# Altium PCB 256sog - killed.PcbDoc (part 3 of 4)
Units mm, origin at the board's own origin, x right, y up, seen from the top; angles counter-clockwise.
Board outline 297 x 210 mm, 4 copper layers (Top Layer, Power Plane, Ground Plane, Bottom Layer); 217 components, 330 nets, 1251 pads, 678 vias.
Unrouted connection lines stored in the file: 1.
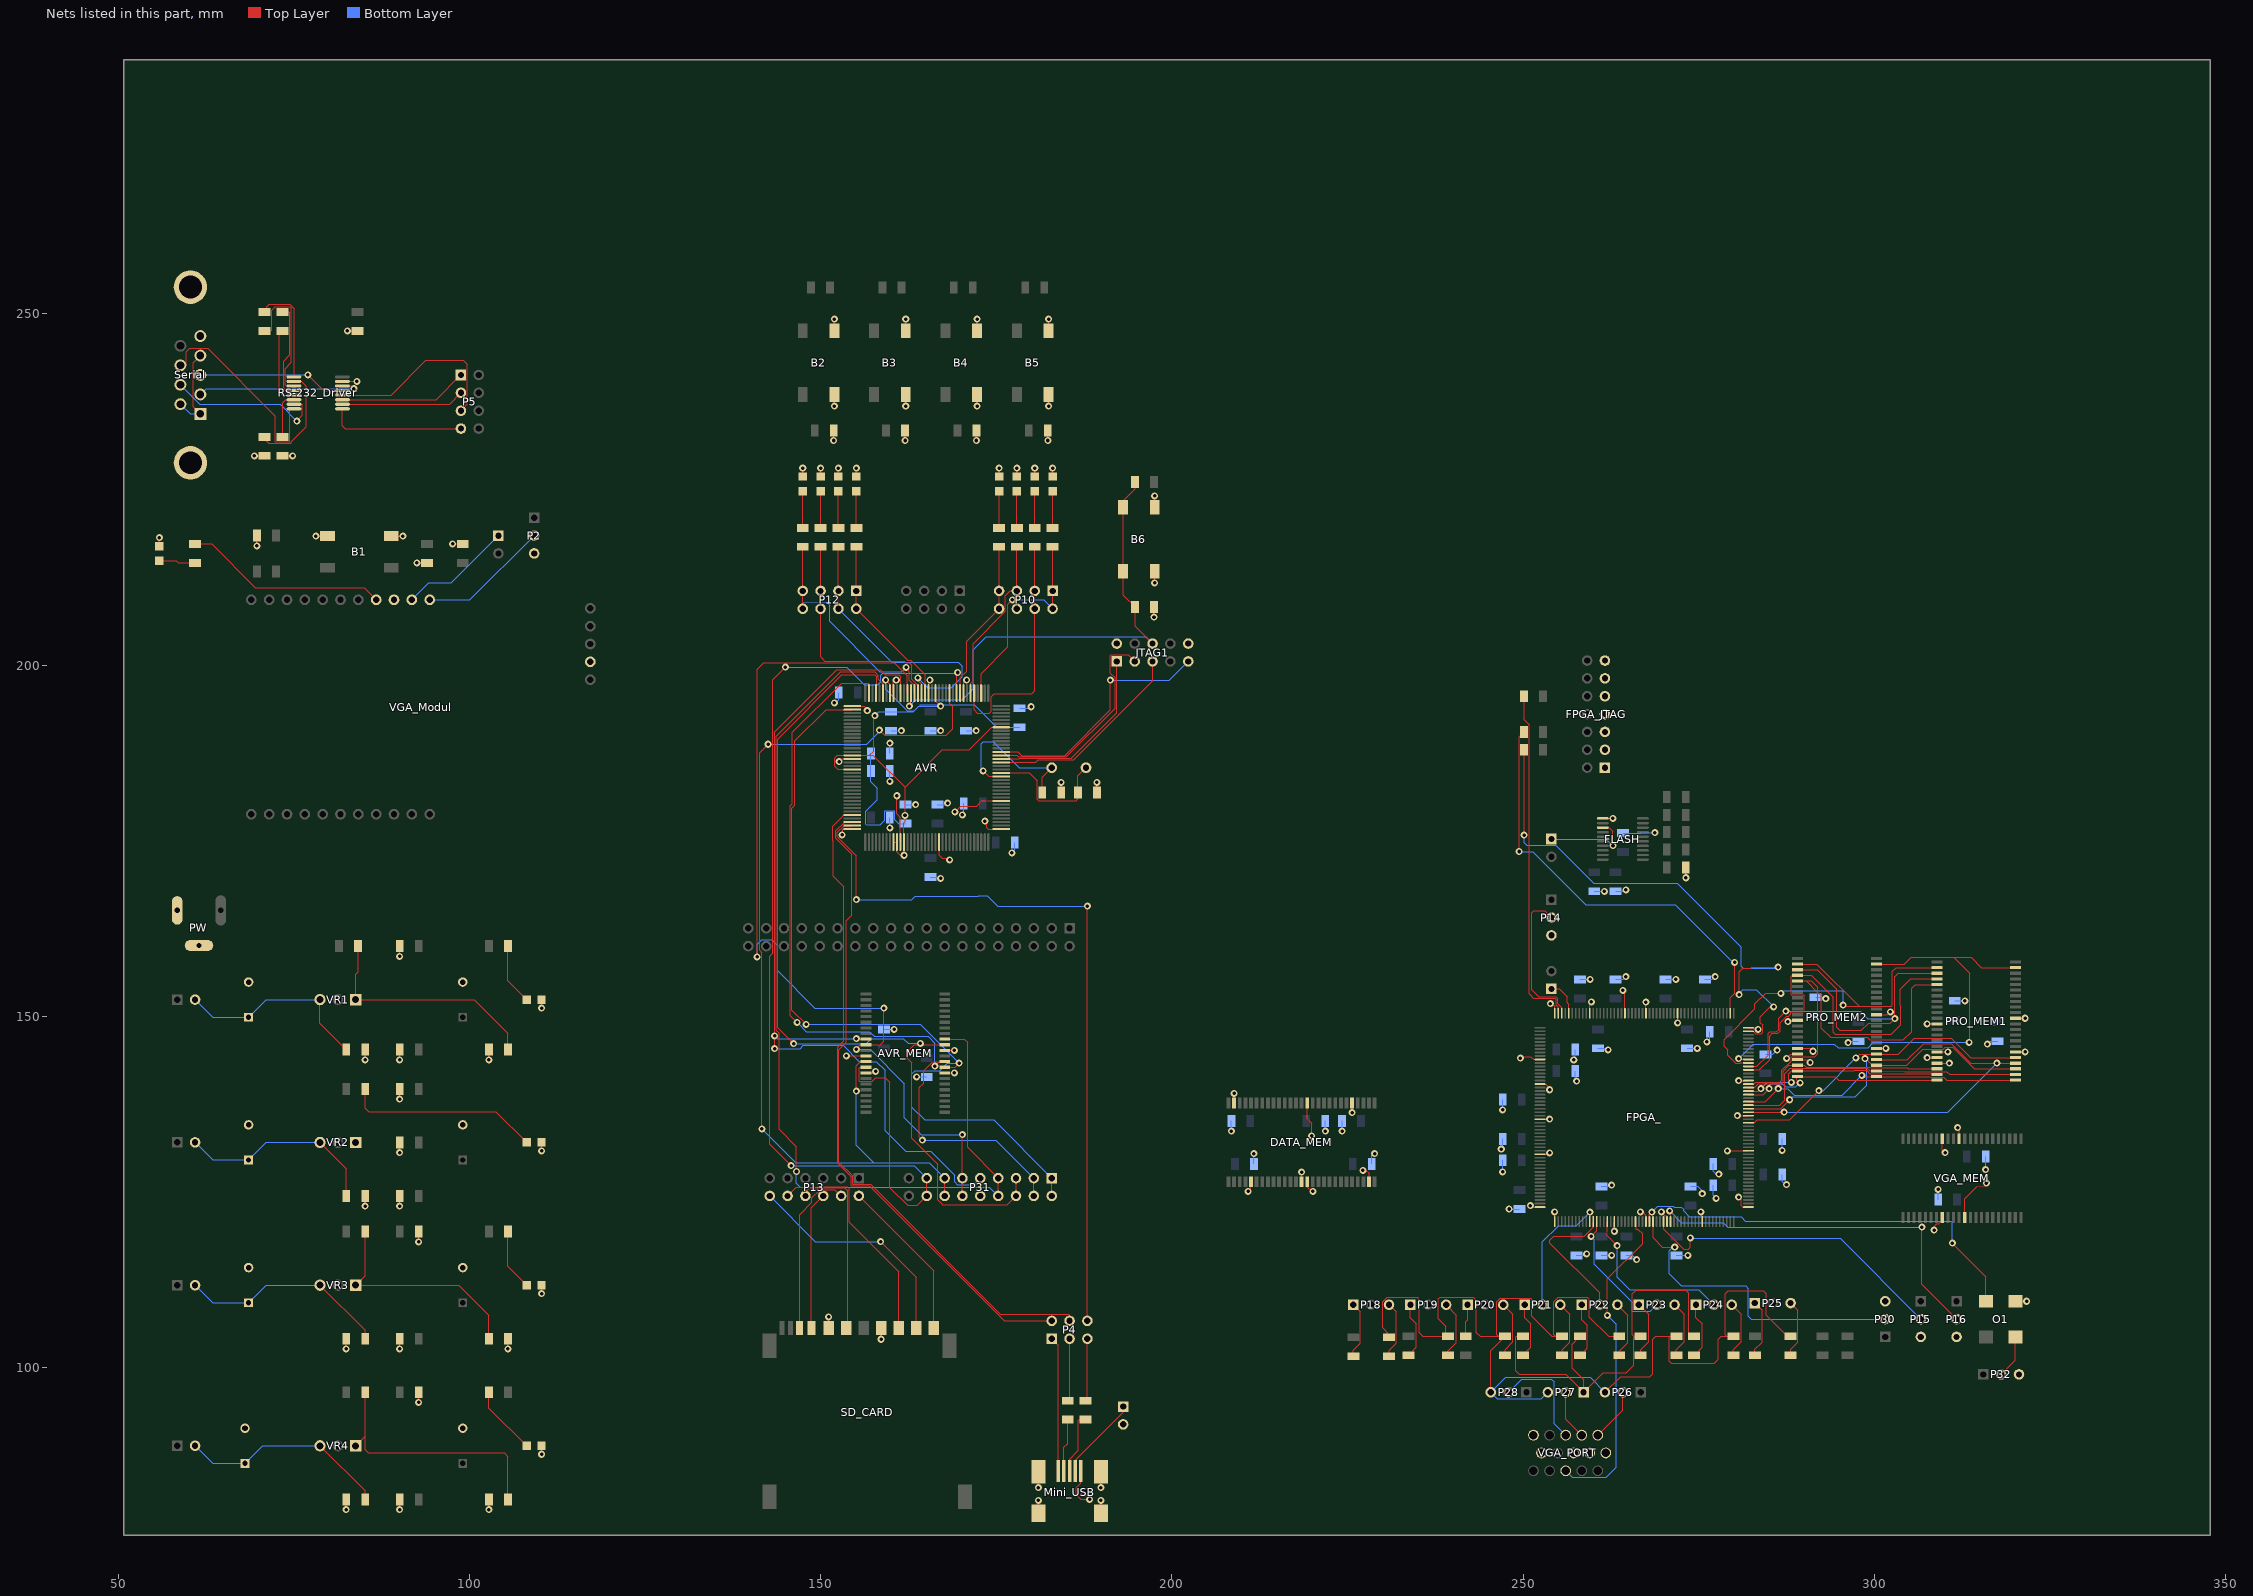
[diagram p5: the nets of this part, all layers, seen from the top]

## Via types
v1: diameter 1, hole 0.5, Top Layer to Bottom Layer, 678 vias

## Nets (pads, with @x,y where several pads share a name; then routed paths per layer and width w, separated by ;. In a path a pad name is that pad's centre, name@x,y a point inside that pad or via, vN(x,y) a via of type N, cw(c..) or ccw(c..) an arc to the next point about the centre after c; other vN are vias at no path point) (continued)
GND: AVR.8 AVR.18 AVR.28 AVR.37 AVR.52 AVR.72 AVR.81 AVR.82 AVR.83 AVR.94 AVR.109 AVR.117 AVR_MEM.8 AVR_MEM.12 AVR_MEM.34 AVR_MEM.37 B1.1 B1.2 B2.1 B2.2 B3.1 B3.2 B4.1 B4.2 B5.1 B5.2 B6.1 B6.2 C3.2 C4.2 C5.2 C6.1 C7.1 C8.1 C9.1 C10.1 C11.1 C12.1 C13.1 C14.1 C15.1 C16.1 C17.1 C18.1 C19.1 C20.1 C21.1 C22.1 C23.1 C24.1 C25.1 C26.1 C27.1 C28.1 C29.1 C30.1 C31.1 C32.2 C33.2 C34.2 C35.2 C36.2 C37.2 C38.2 C39.2 C40.2 C41.2 C42.2 C43.2 C44.2 C45.2 C46.1 C47.1 C48.1 C49.1 C50.1 C51.1 C52.2 C53.2 C54.2 C55.2 C56.2 C57.2 C58.2 C59.2 C60.1 C61.1 C62.1 C63.1 C64.1 C65.1 C66.1 C67.2 C68.1 C69.2 C70.1 C71.2 C72.1 C73.1 C74.1 C75.1 C76.1 C77.1 C78.2 C79.1 C80.2 C81.2 D1.2 D2.2 D3.2 D4.2 D5.2 D6.2 D7.2 D8.2 D9.2 D10.2 D11.2 D12.2 D13.2 DATA_MEM.5 DATA_MEM.13 DATA_MEM.26 DATA_MEM.32 DATA_MEM.41 DATA_MEM.42 DATA_MEM.53 E1.2 E2.2 E3.2 E4.2 E5.2 E6.2 E7.2 E8.2 FLASH.11 FPGA_.10 FPGA_.17 FPGA_.27 FPGA_.37 FPGA_.52 FPGA_.53 FPGA_.70 FPGA_.79 FPGA_.85 FPGA_.95 FPGA_.105 FPGA_.121 FPGA_.131 FPGA_.141 FPGA_.156 FPGA_.173 FPGA_.182 FPGA_.188 FPGA_.198 FPGA_.208 FPGA_JTAG.1 FPGA_JTAG.3 FPGA_JTAG.5 FPGA_JTAG.7 FPGA_JTAG.9 FPGA_JTAG.11 FPGA_JTAG.13 JTAG1.2 JTAG1.10 Mini_USB.5 O1.2 P2.3 P3.2 P14.3 P15.3 P16.3 P30.3 P32.3 PRO_MEM1.6 PRO_MEM1.12 PRO_MEM1.34 PRO_MEM1.39 PRO_MEM1.40 PRO_MEM1.41 PRO_MEM2.6 PRO_MEM2.12 PRO_MEM2.34 PRO_MEM2.39 PRO_MEM2.40 PRO_MEM2.41 PW.2 PW.3 R6.1 R10.1 R13.1 R34.1 RS-232_Driver.15 SD_CARD.3 SD_CARD.6 Serial.5 Serial.10 Serial.11 VGA_MEM.8 VGA_MEM.12 VGA_MEM.34 VGA_MEM.37 VGA_Modul.9 VGA_Modul.26 VGA_PORT.5 VGA_PORT.6 VGA_PORT.7 VGA_PORT.8 VGA_PORT.10 VR2.1 | length 318.7
  Top Layer w0.1: D5.2@55.88,216.95 v1(55.88,218.15) ; v1(69.416,229.79) C4.2@70.866,229.79 ; v1(69.77,216.99) C8.1@69.77,218.44 ; C3.2@73.406,229.79 v1(74.856,229.79) ; v1(78.15,218.368) B1.1@79.8,218.368 ; RS-232_Driver.15@81.936,240.385 v1(83.992,240.385) ; v1(82.47,79.83) C19.1@82.47,81.28 ; v1(82.47,102.69) C16.1@82.47,104.14 ; v1(82.624,247.57) C5.2@84.074,247.57 ; v1(85.17,123.01) C12.1@85.17,124.46 ; v1(85.17,143.838) C9.1@85.17,145.288 ; B1.2@88.9,218.368 v1(90.55,218.368) ; v1(90.09,79.83) C21.1@90.09,81.28 ; v1(90.09,102.69) C18.1@90.09,104.14 ; v1(90.09,123.01) C15.1@90.09,124.46 ; v1(90.09,130.63) C14.1@90.09,132.08 ; v1(90.09,138.25) C13.1@90.09,139.7 ; v1(90.09,143.838) C11.1@90.09,145.288 ; v1(90.09,158.57) C10.1@90.09,160.02 ; v1(92.53,214.55) C6.1@93.98,214.55 ; v1(92.79,95.07) C20.1@92.79,96.52 ; v1(92.79,117.93) C17.1@92.79,119.38 ; v1(97.61,217.25) C7.1@99.06,217.25 ; v1(102.79,79.83) R13.1@102.79,81.28 ; v1(102.79,143.838) R6.1@102.79,145.288 ; v1(105.49,102.69) R10.1@105.49,104.14 ; v1(110.27,87.7) D4.2@110.27,88.9 ; v1(110.27,110.56) D3.2@110.27,111.76 ; v1(110.27,130.88) D2.2@110.27,132.08 ; v1(110.27,151.2) D1.2@110.27,152.4 ; D9.2@147.447,226.856 v1(147.447,228.056) ; D8.2@149.987,226.856 v1(149.987,228.056) ; SD_CARD.6@151.116,105.664 v1(151.116,107.264) ; v1(151.845,231.976) C22.1@151.845,233.426 ; v1(151.947,236.856) B2.2@151.947,238.506 ; B2.1@151.947,247.606 v1(151.947,249.256) ; D7.2@152.527,226.856 v1(152.527,228.056) ; v1(152.63,186.264) 152.63,186.467 152.833,186.67 AVR.52@154.5,186.67 ; v1(153.036,175.857) 153.126,175.946 153.126,176.67 AVR.72@154.5,176.67 ; v1(153.655,144.38) AVR_MEM.34@156.452,144.38 ; AVR.37@154.5,194.17 156.209,194.17 156.729,193.65 156.831,193.548 v1(156.628,193.548) ; D6.2@155.067,226.856 v1(155.067,228.056) ; AVR_MEM.37@156.452,141.98 157.624,141.98 v1(157.827,142.183) ; v1(158.616,104.064) SD_CARD.3@158.616,105.664 ; AVR.81@160.35,174.82 160.35,174.803 AVR.82@160.85,174.803 ; AVR.28@160.35,196.02 160.35,197.714 160.526,197.89 v1(160.756,197.89) ; v1(160.833,181.418) 160.833,178.833 161.35,178.316 AVR.83@161.35,174.82 ; v1(161.866,172.95) 161.341,172.95 160.85,173.441 AVR.82@160.85,174.803 ; v1(162.005,231.976) C23.1@162.005,233.426 ; v1(162.107,236.856) B3.2@162.107,238.506 ; B3.1@162.107,247.606 v1(162.107,249.256) ; AVR.18@165.35,196.02 165.35,197.734 165.506,197.89 v1(165.553,197.89) ; AVR.94@166.85,174.82 166.85,172.949 167.31,172.489 168.148,172.489 v1(168.351,172.286) ; AVR_MEM.8@167.652,141.98 v1(169.027,141.98) ; AVR_MEM.12@167.652,145.18 v1(169.027,145.18) ; v1(169.102,179.121) 169.93,179.949 172.231,179.949 172.952,180.67 AVR.117@175.7,180.67 ; AVR.8@170.35,196.02 170.35,197.755 170.485,197.89 v1(170.756,197.89) ; v1(172.165,231.976) C24.1@172.165,233.426 ; v1(172.267,236.856) B4.2@172.267,238.506 ; B4.1@172.267,247.606 v1(172.267,249.256) ; v1(173.369,177.8) 173.662,177.508 173.662,176.837 173.829,176.67 AVR.109@175.7,176.67 ; D13.2@175.387,226.856 v1(175.387,228.056) ; D12.2@177.927,226.856 v1(177.927,228.056) ; D11.2@180.467,226.856 v1(180.467,228.056) ; Mini_USB.5@180.97,79.296 v1(180.97,81.146) ; v1(180.97,82.946) Mini_USB.5@180.97,85.196 ; v1(182.325,231.976) C25.1@182.325,233.426 ; v1(182.427,236.856) B5.2@182.427,238.506 ; B5.1@182.427,247.606 v1(182.427,249.256) ; D10.2@183.007,226.856 v1(183.007,228.056) ; C81.2@184.23,181.864 v1(184.23,183.314) ; Mini_USB.5@187.02,85.296 187.02,83.605 186.37,82.955 186.37,81.913 187.02,81.263 v1(188.265,81.263) ; C80.2@189.31,181.864 v1(189.31,183.314) ; Mini_USB.5@189.87,79.296 v1(189.87,81.146) ; v1(189.87,82.946) Mini_USB.5@189.87,85.196 ; v1(197.438,206.83) C26.1@197.438,208.28 ; v1(197.54,211.71) B6.2@197.54,213.36 ; B6.1@197.54,222.46 v1(197.54,224.11) ; DATA_MEM.26@208.84,137.68 v1(208.84,139.055) ; v1(210.834,125.105) 211.24,125.511 DATA_MEM.32@211.24,126.48 ; DATA_MEM.41@218.44,126.48 v1(218.44,127.855) ; DATA_MEM.42@219.24,126.48 219.24,125.674 219.456,125.458 219.7,125.458 v1(220.053,125.105) ; DATA_MEM.13@219.24,137.68 219.24,135.443 219.862,134.82 v1(219.862,132.999) ; v1(225.64,136.305) DATA_MEM.5@225.64,137.68 ; v1(227.178,128.113) 227.584,128.113 228.04,127.657 DATA_MEM.53@228.04,126.48 ; v1(249.586,144.089) 249.783,144.287 251.069,144.287 251.47,143.886 FPGA_.10@252.383,143.886 ; v1(251.008,123.089) 251.008,123.033 251.155,122.886 FPGA_.52@252.383,122.886 ; FPGA_.37@252.383,130.386 253.555,130.386 v1(253.758,130.589) ; FPGA_.27@252.383,135.386 v1(253.758,135.386) ; FPGA_.17@252.383,140.386 253.187,140.386 253.758,139.815 v1(253.758,139.573) ; v1(253.848,151.836) 254.052,151.836 254.458,151.43 FPGA_.208@254.458,150.461 ; FPGA_.53@254.458,120.811 v1(254.458,122.186) ; FPGA_.198@259.458,150.461 259.458,151.76 259.69,151.992 v1(259.69,152.094) ; FLASH.11@261.31,178.185 v1(262.76,178.185) ; v1(262.958,119.436) FPGA_.70@262.958,120.811 ; v1(264.16,153.719) 264.458,153.421 FPGA_.188@264.458,150.461 ; v1(266.645,122.186) 267.005,122.186 267.458,121.733 FPGA_.79@267.458,120.811 ; FPGA_.182@267.458,150.461 v1(267.458,152.039) ; v1(269.645,122.186) 270.164,121.667 270.458,121.667 FPGA_.85@270.458,120.811 ; v1(271.958,149.086) FPGA_.173@271.958,150.461 ; v1(273.13,169.746) R34.1@273.13,171.196 ; v1(275.255,122.186) 275.458,121.983 FPGA_.95@275.458,120.811 ; v1(279.032,130.886) FPGA_.121@282.033,130.886 ; v1(280.455,135.886) FPGA_.131@282.033,135.886 ; v1(280.658,124.308) 280.983,123.984 280.983,123.132 281.229,122.886 FPGA_.105@282.033,122.886 ; v1(280.658,140.886) FPGA_.141@282.033,140.886 ; FPGA_.156@282.033,148.386 283.205,148.386 v1(283.408,148.183) ; v1(287.462,144.05) 288.071,144.66 PRO_MEM2.40@289.04,144.66 ; v1(287.665,149.257) 287.868,149.46 PRO_MEM2.34@289.04,149.46 ; PRO_MEM2.41@289.04,143.86 290.415,143.86 v1(290.821,143.454) ; PRO_MEM2.39@289.04,145.46 290.821,145.46 v1(291.228,145.054) ; PRO_MEM2.6@300.24,145.46 v1(301.615,145.46) ; PRO_MEM2.12@300.24,150.26 301.818,150.26 v1(302.225,150.666) ; v1(307.477,144.152) PRO_MEM1.40@308.852,144.152 ; v1(307.477,148.952) PRO_MEM1.34@308.852,148.952 ; v1(308.458,119.609) 308.458,120.066 308.864,120.472 309.22,120.472 309.22,120.726 309.347,120.853 309.62,120.853 VGA_MEM.8@309.62,121.4 ; PRO_MEM1.41@308.852,143.352 v1(310.633,143.352) ; PRO_MEM1.39@308.852,144.952 v1(310.43,144.952) ; VGA_MEM.37@309.62,132.6 309.62,130.819 309.823,130.615 v1(310.026,130.615) ; v1(311.817,134.178) 311.614,134.178 311.715,134.077 312.02,133.772 VGA_MEM.34@312.02,132.6 ; VGA_MEM.12@312.82,121.4 312.82,124.048 314.554,125.781 315.9,125.882 v1(315.9,126.289) ; O1.2@320.04,109.474 v1(321.64,109.474) ; PRO_MEM1.6@320.052,144.952 v1(321.427,144.952) ; PRO_MEM1.12@320.052,149.752 v1(321.427,149.752) ; AVR.82@160.85,174.803 AVR.82@160.85,174.82 AVR.82@160.85,174.803
  Bottom Layer w0.1: v1(151.964,194.638) 152.168,194.638 152.574,195.044 C32.2@152.574,196.088 ; C71.2@159.004,148.162 v1(160.454,148.162) ; v1(159.846,176.858) C35.2@159.846,178.308 ; v1(159.846,183.462) C31.1@159.846,184.912 ; C27.1@159.846,187.452 v1(159.846,188.902) ; C28.1@160.02,190.674 v1(161.47,190.674) ; C30.1@162.052,180.166 v1(163.502,180.166) ; v1(163.65,141.398) C72.1@165.1,141.398 ; C36.2@165.608,169.846 166.855,169.846 v1(167.058,169.643) ; C33.2@165.608,190.674 v1(167.058,190.674) ; C39.2@166.624,180.166 167.871,180.166 v1(168.074,180.369) ; v1(170.151,178.687) 170.151,178.484 170.252,178.585 170.354,178.687 C37.2@170.354,180.34 ; C34.2@170.688,190.674 v1(172.138,190.674) ; v1(177.22,173.302) 177.626,173.708 C38.2@177.626,174.752 ; C29.1@178.308,193.882 179.758,193.882 v1(179.961,194.085) ; v1(208.454,133.678) C76.1@208.454,135.128 ; C77.1@211.662,129.032 v1(211.662,130.482) ; v1(221.822,133.678) C75.1@221.822,135.128 ; v1(224.202,133.678) C73.1@224.202,135.128 ; C74.1@228.426,129.032 228.426,130.251 228.657,130.482 v1(228.832,130.482) ; v1(246.859,131.138) 247.062,131.341 C43.2@247.062,132.588 ; v1(247.062,127.887) C40.2@247.062,129.54 ; v1(247.062,136.726) C51.1@247.062,138.176 ; v1(247.978,122.602) C56.2@249.428,122.602 ; v1(257.179,143.838) 257.382,144.041 C59.2@257.382,145.288 ; C62.1@257.382,142.24 257.382,140.993 v1(257.585,140.79) ; C47.1@257.556,115.998 258.803,115.998 v1(259.006,116.201) ; C41.2@258.064,155.274 v1(259.514,155.274) ; C66.1@260.096,167.814 v1(261.546,167.814) ; C54.2@260.604,145.462 261.851,145.462 v1(262.054,145.259) ; C61.1@261.112,115.998 v1(262.562,115.998) ; C57.2@261.112,125.81 262.359,125.81 v1(262.562,126.013) ; C42.2@263.144,155.274 264.188,155.274 v1(264.594,155.68) ; C65.1@263.144,167.814 264.391,167.814 v1(264.594,168.017) ; C64.1@264.16,176.102 266.747,176.102 266.82,176.174 v1(268.712,176.174) ; C49.1@264.668,115.998 265.538,115.998 266.118,115.418 v1(266.118,115.388) ; C44.2@270.256,155.274 v1(271.706,155.274) ; C50.1@271.78,115.998 v1(273.433,115.998) ; C63.1@273.304,145.462 v1(274.754,145.462) ; C58.2@273.812,125.81 274.856,125.81 275.465,125.2 v1(275.465,124.794) ; C55.2@275.844,155.274 276.888,155.274 v1(277.294,155.68) ; v1(276.12,146.378) 276.323,146.378 276.526,146.581 C53.2@276.526,147.828 ; C52.2@277.034,125.984 277.034,124.534 v1(277.44,124.128) ; C60.1@277.034,129.032 277.034,127.988 277.44,127.582 v1(277.847,127.582) ; C45.2@284.48,144.606 285.524,144.606 v1(286.133,145.216) ; C48.1@286.846,127.508 286.846,126.464 287.252,126.058 v1(287.456,126.058) ; v1(286.846,130.935) C46.1@286.846,132.588 ; C79.1@291.592,152.734 292.839,152.734 v1(293.042,152.531) ; v1(296.238,146.275) 296.441,146.478 C78.2@297.688,146.478 ; C70.1@309.038,123.952 v1(309.038,125.402) ; C68.1@311.404,152.226 v1(312.854,152.226) ; v1(315.802,128.192) C69.2@315.802,130.048 ; v1(316.05,146.072) 316.456,146.478 C67.2@317.5,146.478
GRAY: P26.3 P27.3 P28.3 R37.2 R39.2 R41.2 R43.2 R45.2 R47.2 R49.2 R51.2 | length 168.5
  Top Layer w0.1: R37.2@230.886,104.347 230.734,104.347 230.734,104.927 229.972,105.689 229.972,109.423 230.614,110.066 235.034,110.066 235.034,109.746 235.204,109.576 235.204,104.982 235.712,104.474 R39.2@238.989,104.474 ; P28.3@245.364,96.52 245.364,102.442 R41.2@247.396,104.474 ; R43.2@255.524,104.474 254.61,104.474 ; P26.3@261.62,96.52 263.855,98.755 268.021,98.755 268.427,99.162 268.427,104.038 268.863,104.474 270.866,104.474 ; R45.2@263.652,104.474 262.175,104.474 259.418,107.231 259.418,109.728 259.08,110.066 254.998,110.066 254.356,109.423 254.356,104.728 254.61,104.474 ; R51.2@288.036,104.474 287.575,104.474 284.582,107.467 284.582,110.541 284.175,110.947 279.146,110.947 278.74,110.541 278.74,104.728 278.994,104.474 ; R39.2@238.989,104.474 238.989,105.943 237.914,107.018 237.914,109.83 238.15,110.066 242.842,110.066 243.332,109.576 243.332,104.982 243.84,104.474 246.482,104.474 ; R39.2@238.989,104.474 R39.2@239.268,104.474 R39.2@238.989,104.474 ; 246.482,104.474 R41.2@247.396,104.474 ; 246.482,104.474 246.228,104.728 246.228,109.423 246.685,109.88 251.054,109.88 251.206,109.728 251.206,107.315 254.047,104.474 254.61,104.474 ; 246.482,104.474 R41.2@247.396,104.474 ; 270.866,104.474 R47.2@271.78,104.474 270.866,104.474 ; 270.866,104.474 270.764,104.372 270.764,100.94 271.069,100.635 277.19,100.635 277.749,101.194 277.749,104.038 278.185,104.474 278.994,104.474 ; 278.994,104.474 R49.2@279.908,104.474 278.994,104.474
  Bottom Layer w0.1: P27.3@253.492,96.52 252.578,95.606 246.278,95.606 P28.3@245.364,96.52 247.472,98.628 259.512,98.628 P26.3@261.62,96.52
GREEN: P27.1 R42.2 R44.2 R46.2 R48.2 | length 61.1
  Top Layer w0.1: R42.2@249.936,104.474 249.022,104.474 248.92,104.372 248.92,99.568 249.428,99.06 256.032,99.06 P27.1@258.572,96.52 ; R44.2@258.064,104.474 256.946,103.356 256.946,99.949 258.572,98.323 P27.1@258.572,96.52 ; R46.2@266.7,104.474 265.786,104.474 ; R48.2@274.32,104.474 273.533,104.474 273.533,110.617 273.101,111.049 266.04,111.049 265.532,110.541 265.532,104.728 265.786,104.474 ; P27.1@258.572,96.52 261.38,99.328 264.631,99.328 265.684,100.381 265.684,104.372 265.786,104.474
GREEN0: FPGA_.63 P21.2 | length 18.8
  Top Layer w0.1: FPGA_.63@259.458,120.811 v1(259.458,122.174)
  Bottom Layer w0.1: P21.2@252.73,108.966 252.73,117.958 255.016,120.244 257.528,120.244 v1(259.458,122.174)
GREEN1: FPGA_.64 P22.2 | length 19.9
  Top Layer w0.1: FPGA_.64@259.958,120.811 259.958,119.99 258.667,118.699 254.335,118.699 253.797,118.161 253.797,117.754 260.858,110.693 P22.2@260.858,108.966
GREEN2: FPGA_.65 P23.2 | length 19.4
  Top Layer w0.1: v1(259.639,118.694) 260.458,119.513 FPGA_.65@260.458,120.811
  Bottom Layer w0.1: v1(259.639,118.694) 260.096,118.237 260.096,114.757 265.532,109.322 265.532,108.052 268.072,108.052 P23.2@268.986,108.966
GREEN3: FPGA_.68 P24.2 | length 23.9
  Top Layer w0.1: FPGA_.68@261.958,120.811 261.958,118.788 v1(263.347,117.399)
  Bottom Layer w0.1: v1(263.347,117.399) 263.347,112.903 265.125,111.125 274.955,111.125 P24.2@277.114,108.966
H-SYNC: FPGA_.76 VGA_PORT.13 | length 46.3
  Top Layer w0.1: v1(261.958,107.46) 261.958,112.642 266.966,117.65 266.966,119.078 266.291,119.753 265.986,119.753 FPGA_.76@265.958,120.811
  Bottom Layer w0.1: VGA_PORT.13@256.024,85.344 256.938,84.43 261.798,84.43 263.195,85.827 263.195,106.223 v1(261.958,107.46)
I/O0: AVR.38 AVR_MEM.9 P31.1 P31.2 | length 116.4
  Top Layer w0.1: v1(147.93,148.869) 145.882,150.917 145.882,179.635 146.341,180.094 146.341,189.226 150.785,193.67 AVR.38@154.5,193.67 ; AVR_MEM.9@167.652,142.78 169.12,142.78 v1(169.697,143.358) ; P31.2@182.88,124.46 P31.1@182.88,127
  Bottom Layer w0.1: v1(147.93,148.869) 164.186,148.869 v1(169.697,143.358) 168.007,143.358 166.951,142.301 163.459,142.301 162.992,141.834 162.992,137.109 164.821,135.28 174.6,135.28 P31.1@182.88,127
I/O1: AVR.35 AVR_MEM.10 P31.3 P31.4 | length 117.2
  Top Layer w0.1: v1(146.634,149.149) 145.68,150.103 145.68,179.959 145.974,180.253 145.974,190.449 152.984,197.46 156.774,197.46 156.85,197.383 AVR.35@156.85,196.02 ; v1(164.465,132.41) 164.059,132.817 164.059,139.929 164.643,140.513 164.643,142.259 165.964,143.58 AVR_MEM.10@166.897,143.58 ; v1(166.268,142.951) AVR_MEM.10@166.897,143.58 ; P31.4@180.34,124.46 P31.3@180.34,127 ; AVR_MEM.10@166.897,143.58 AVR_MEM.10@167.652,143.58 AVR_MEM.10@166.897,143.58
  Bottom Layer w0.1: v1(146.634,149.149) 147.93,147.853 156.947,147.853 157.607,147.193 165.303,147.193 166.268,146.228 v1(166.268,142.951) ; v1(164.465,132.41) 174.93,132.41 P31.3@180.34,127
I/O2: AVR.33 AVR_MEM.13 P31.5 P31.6 | length 130
  Top Layer w0.1: v1(146.163,146.126) 143.866,148.424 143.866,189.492 153.026,198.653 157.684,198.653 158.002,198.335 158.002,197.383 157.85,197.231 AVR.33@157.85,196.02 ; v1(164.186,146.177) v1@164.383,145.98 ; P31.5@177.8,127 P31.6@177.8,124.46 176.555,123.215 167.386,123.215 166.649,123.952 166.649,129.007 162.966,132.69 162.966,143.408 162.321,144.053 162.321,145.009 163.293,145.98 164.186,145.98 v1@164.383,145.98 ; v1@164.383,145.98 AVR_MEM.13@167.652,145.98 v1@164.383,145.98
  Bottom Layer w0.1: v1(146.163,146.126) 156.489,146.126 157.226,146.863 161.773,146.863 162.458,146.177 v1(164.186,146.177)
I/O3: AVR.31 AVR_MEM.14 P31.7 P31.8 | length 142.7
  Top Layer w0.1: v1(146.558,127.94) 146.558,131.47 144.084,133.945 144.084,147.635 143.662,148.057 143.662,189.865 152.857,199.06 157.683,199.06 158.217,198.526 158.217,197.991 158.85,197.358 AVR.31@158.85,196.02 ; AVR_MEM.14@167.652,146.78 170.428,146.78 170.904,146.304 170.904,131.356 P31.7@175.26,127 P31.8@175.26,124.46
  Bottom Layer w0.1: v1(146.558,127.94) 146.558,126.289 147.117,125.73 173.99,125.73 P31.8@175.26,124.46
I/O4: AVR.26 AVR_MEM.31 P31.9 P31.10 | length 172.2
  Top Layer w0.1: v1(143.434,145.44) v1(143.434,147.244) ; v1(155.092,146.837) 155.15,146.78 AVR_MEM.31@156.452,146.78 ; AVR.26@161.35,196.02 161.35,197.24 161.406,197.296 161.406,198.36 161.138,198.629 159.193,198.629 158.468,199.354 152.263,199.354 143.434,190.525 ; P31.10@172.72,124.46 P31.9@172.72,127 ; v1(143.434,147.244) 143.434,190.525 ; v1(143.434,147.244) 143.434,190.525
  Bottom Layer w0.1: v1(143.434,145.44) 147.082,145.44 147.519,145.877 153.204,145.877 155.493,143.587 157.895,143.587 159.156,142.326 159.156,133.756 162.103,130.81 165.684,130.81 169.062,127.432 169.062,126.467 169.469,126.06 171.78,126.06 P31.9@172.72,127 ; v1(143.434,147.244) 143.84,146.837 v1(155.092,146.837)
I/O5: AVR.24 AVR_MEM.32 P31.11 P31.12 | length 133
  Top Layer w0.1: v1(140.97,158.496) 140.97,199.415 141.925,200.37 160.465,200.37 162.35,198.485 AVR.24@162.35,196.02 ; v1(155.067,145.313) 155.067,145.396 155.651,145.98 AVR_MEM.32@156.452,145.98 158.496,145.98 159.004,146.488 v1(159.004,151.181) ; P31.12@170.18,124.46 P31.11@170.18,127 v1(170.18,133.172)
  Bottom Layer w0.1: v1(140.97,158.496) 140.97,160.249 141.641,160.92 143.016,160.92 143.866,160.071 143.866,156.489 149.174,151.181 v1(159.004,151.181) ; v1(155.067,145.313) 157.023,145.313 161.925,140.411 161.925,135.56 164.313,133.172 v1(170.18,133.172)
I/O6: AVR.12 AVR_MEM.35 P31.13 P31.14 | length 144.3
  Top Layer w0.1: v1(141.63,134.013) 141.63,159.106 141.326,159.41 141.326,187.554 v1(142.519,188.747) ; v1(155.067,139.395) 155.067,143.002 155.645,143.58 AVR_MEM.35@156.452,143.58 ; v1(158.369,190.754) 159.131,189.992 167.843,189.992 168.806,190.955 168.806,194.084 168.35,194.54 AVR.12@168.35,196.02 ; P31.14@167.64,124.46 P31.13@167.64,127
  Bottom Layer w0.1: v1(141.63,134.013) 146.433,129.21 157.556,129.21 ; v1(142.519,188.747) 156.566,188.747 158.369,190.551 v1(158.369,190.754) ; v1(155.067,139.395) 155.067,131.699 157.556,129.21 ; P31.13@167.64,127 165.43,129.21 ; 157.556,129.21 165.43,129.21 ; 157.556,129.21 165.43,129.21